# KiCad board matrix-x02-x06.kicad_pcb (continued)
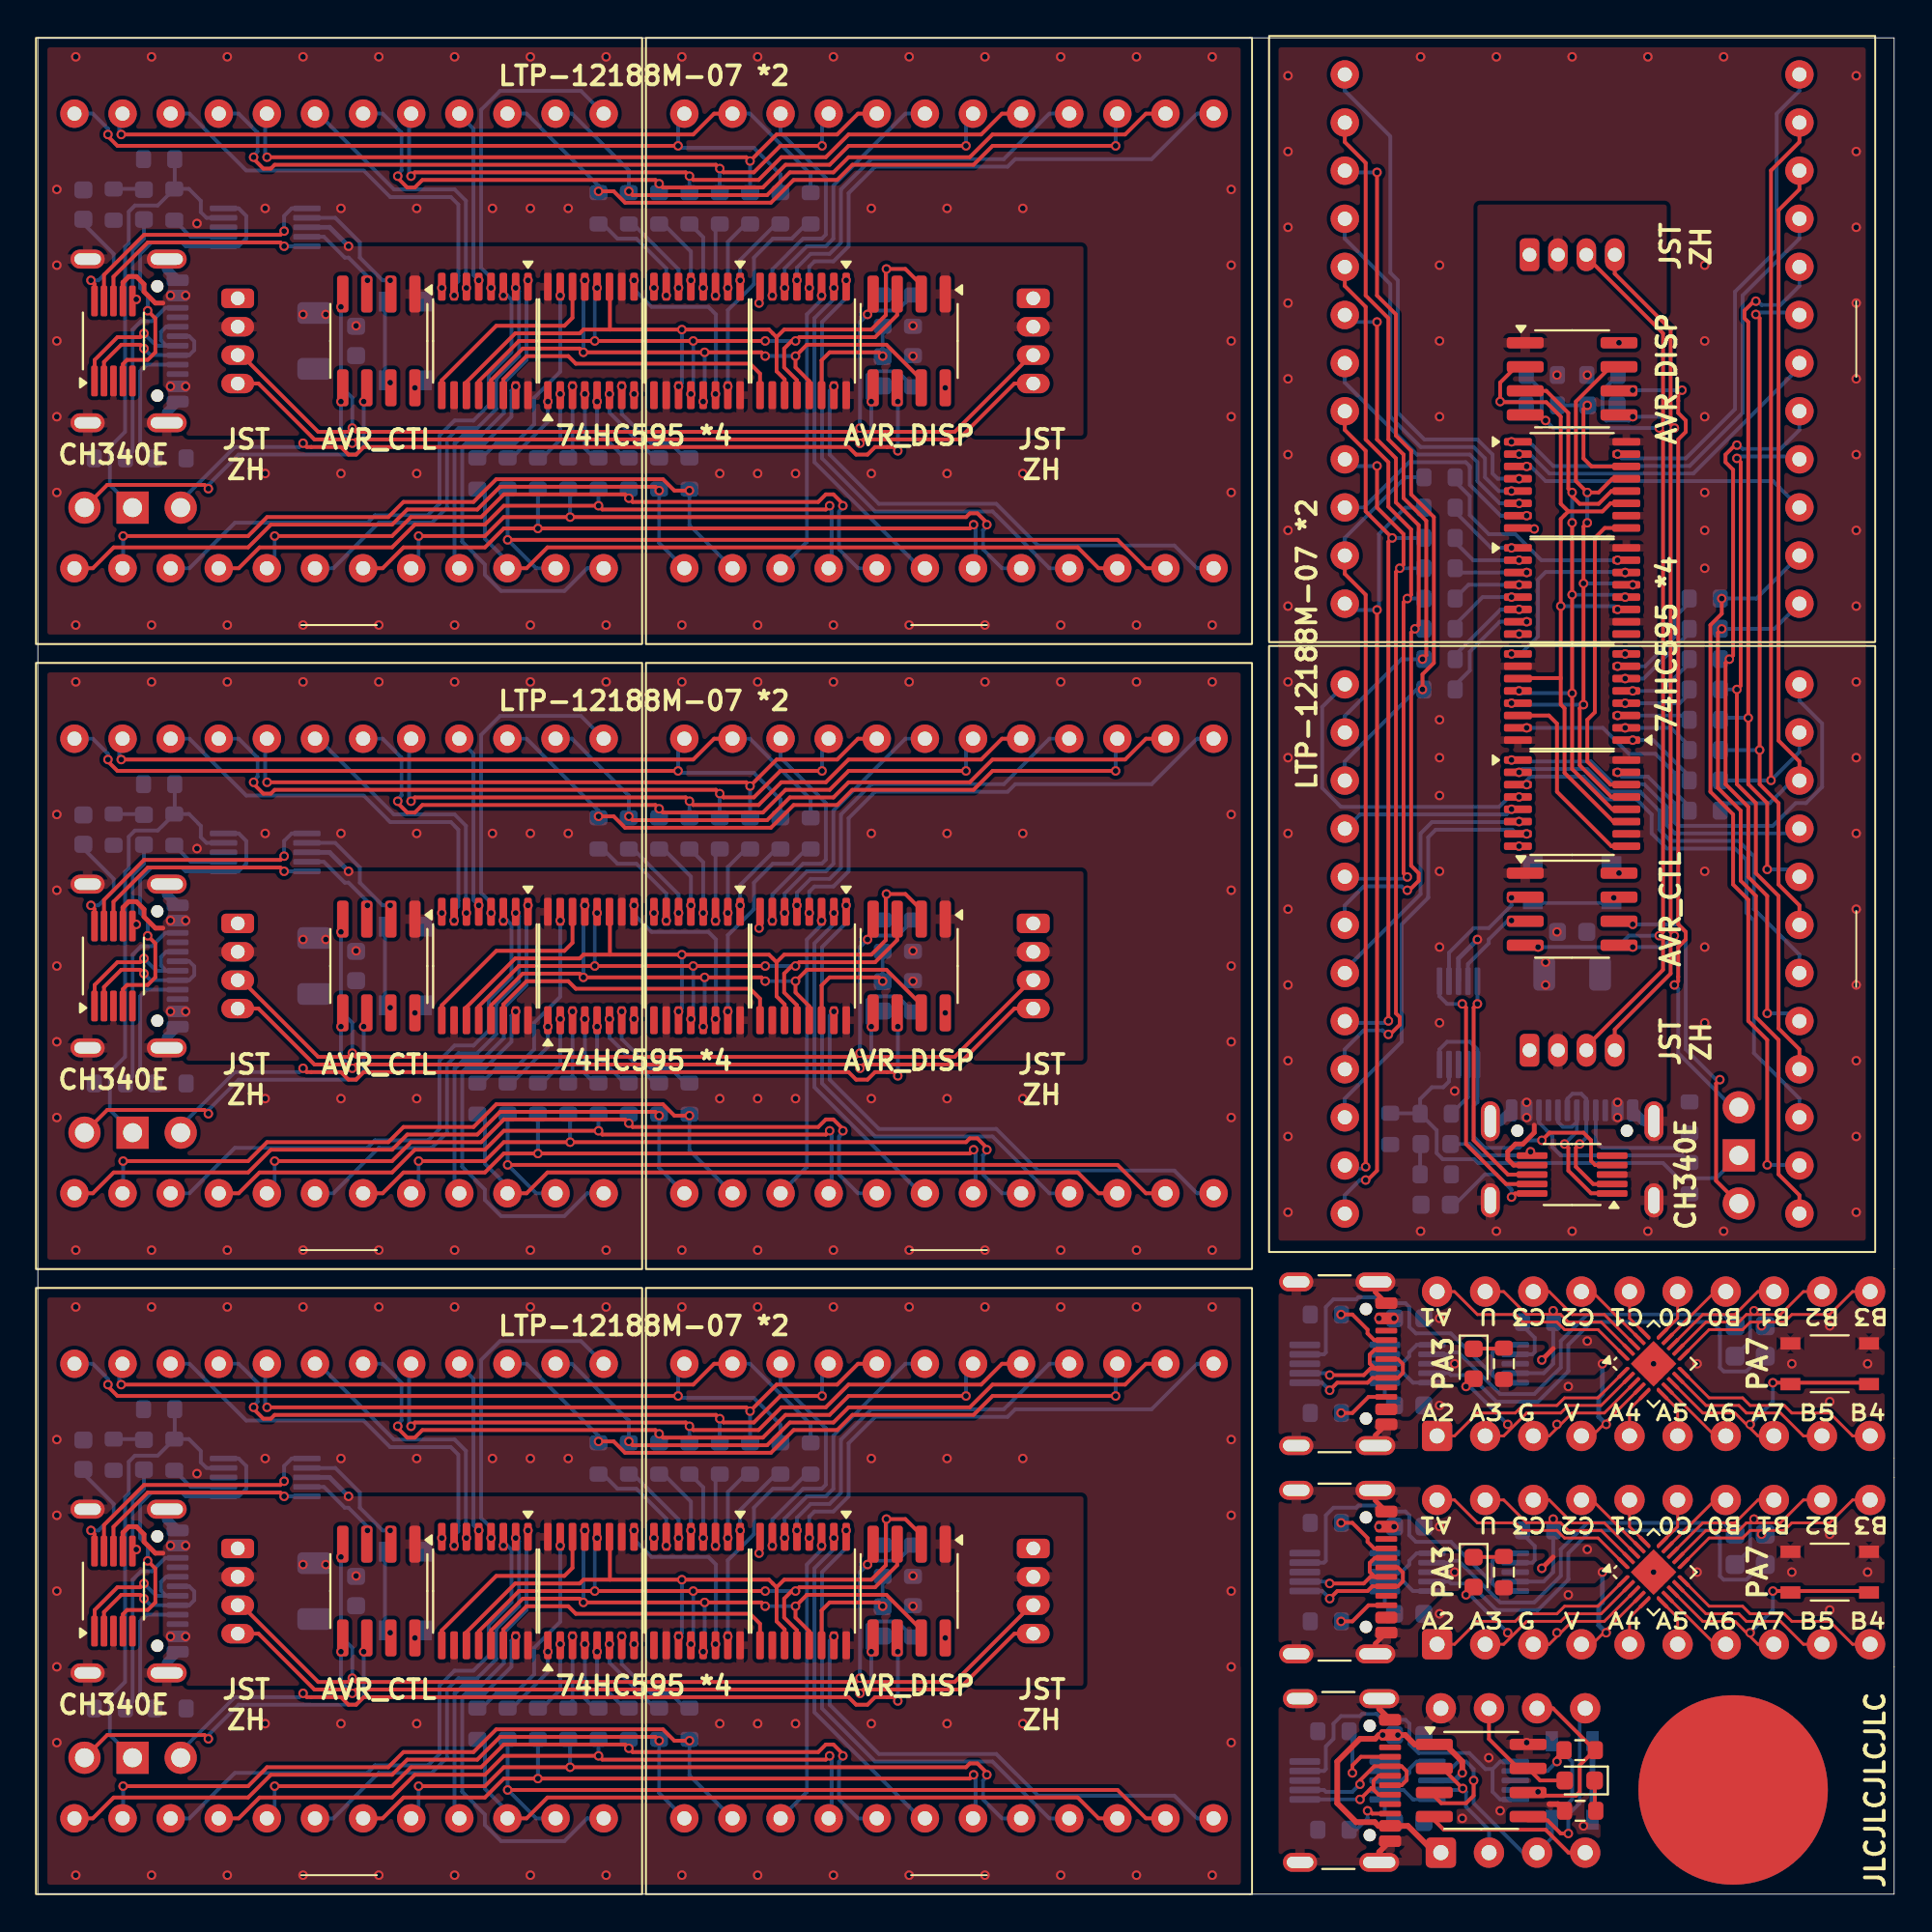
[diagram p0: board, top side]
## Placement (name value [footprint] x y rotation side) (continued)
R16#4  150R  [R_0603_1608Metric]  23.2 42 270 bottom
R17  1k  [R_0603_1608Metric]  44.6 83.6 270 bottom
R17#2  1k  [R_0603_1608Metric]  44.6 50.6 270 bottom
R17#3  1k  [R_0603_1608Metric]  44.6 17.6 270 bottom
R17#4  1k  [R_0603_1608Metric]  79.4 78.6 0 bottom
R18  4k7  [R_0603_1608Metric]  46.2 50.6 270 bottom
R18#2  4k7  [R_0603_1608Metric]  46.2 83.6 270 bottom
R18#3  4k7  [R_0603_1608Metric]  46.2 17.6 270 bottom
R18#4  4k7  [R_0603_1608Metric]  79.4 80.2 0 bottom
R19  4k7  [R_0603_1608Metric]  46.2 80.4 90 bottom
R19#2  4k7  [R_0603_1608Metric]  46.2 14.4 90 bottom
R19#3  4k7  [R_0603_1608Metric]  46.2 47.4 90 bottom
R19#4  4k7  [R_0603_1608Metric]  82.6 80.2 180 bottom
R20  4k7  [R_0603_1608Metric]  73.8 41.2 180 bottom
R20#2  4k7  [R_0603_1608Metric]  7.2 23.2 90 bottom
R20#3  4k7  [R_0603_1608Metric]  7.2 56.2 90 bottom
R20#4  4k7  [R_0603_1608Metric]  7.2 89.2 90 bottom
R21  R_TNOW  [R_0603_1608Metric]  4 56.2 90 bottom
R21#2  R_TNOW  [R_0603_1608Metric]  73.8 38 180 bottom
R21#3  R_TNOW  [R_0603_1608Metric]  4 89.2 90 bottom
R21#4  R_TNOW  [R_0603_1608Metric]  4 23.2 90 bottom
R22  4k7  [R_0603_1608Metric]  7 42.8 180 bottom
R22#2  4k7  [R_0603_1608Metric]  7 75.8 180 bottom
R22#3  4k7  [R_0603_1608Metric]  87.2 41 270 bottom
R22#4  4k7  [R_0603_1608Metric]  7 9.8 180 bottom
R23  4k7  [R_0603_1608Metric]  3.8 42.8 0 bottom
R23#2  4k7  [R_0603_1608Metric]  3.8 9.8 0 bottom
R23#3  4k7  [R_0603_1608Metric]  87.2 37.8 90 bottom
R23#4  4k7  [R_0603_1608Metric]  3.8 75.8 0 bottom
R24  NC  [R_0603_1608Metric]  6.4 91.6 0 bottom
R24#2  NC  [R_0603_1608Metric]  6.4 25.6 0 bottom
R24#3  NC  [R_0603_1608Metric]  6.4 58.6 0 bottom
R24#4  NC  [R_0603_1608Metric]  71.4 40.4 90 bottom
SW1  SW_Push  [alps-skrp]  94.6 17 0 top
SW1#2  SW_Push  [alps-skrp]  94.6 28 0 top
SW1#3  SW_Push  [alps-skrp]  19.4 49 90 bottom
SW1#4  SW_Push  [alps-skrp]  81 53.4 180 bottom
SW1#5  SW_Push  [alps-skrp]  19.4 16 90 bottom
SW1#6  SW_Push  [alps-skrp]  19.4 82 90 bottom
SW1#7  SW_Push  [alps-skrp]  81 6 270 bottom
U1  74HC595  [TSSOP-16_4.4x5mm_P0.65mm]  34.8 16 270 top
U1#2  74HC595  [TSSOP-16_4.4x5mm_P0.65mm]  34.8 82 270 top
U1#3  ATtiny202-SS  [SOIC-8_3.9x4.9mm_P1.27mm]  76.2 6 0 top
U1#4  74HC595  [TSSOP-16_4.4x5mm_P0.65mm]  81 68.8 0 top
U1#5  ATtiny1606-M  [VQFN-20-1EP_3x3mm_P0.4mm_EP1.7x1.7mm]  85.3 28 45 top
U1#6  ATtiny1606-M  [VQFN-20-1EP_3x3mm_P0.4mm_EP1.7x1.7mm]  85.3 17 45 top
U1#7  74HC595  [TSSOP-16_4.4x5mm_P0.65mm]  34.8 49 270 top
U2  74HC595  [TSSOP-16_4.4x5mm_P0.65mm]  29.2 49 90 top
U2#2  74HC595  [TSSOP-16_4.4x5mm_P0.65mm]  29.2 16 90 top
U2#3  74HC595  [TSSOP-16_4.4x5mm_P0.65mm]  81 63.2 180 top
U2#4  74HC595  [TSSOP-16_4.4x5mm_P0.65mm]  29.2 82 90 top
U2#5  CH340E  [MSOP-10_3x3mm_P0.5mm]  69 17 0 bottom
U2#6  CH340E  [MSOP-10_3x3mm_P0.5mm]  69 28 0 bottom
U2#7  CH340E  [MSOP-10_3x3mm_P0.5mm]  69 6 0 bottom
U3  74HC595  [TSSOP-16_4.4x5mm_P0.65mm]  23.6 49 270 top
U3#2  74HC595  [TSSOP-16_4.4x5mm_P0.65mm]  81 57.6 0 top
U3#3  74HC595  [TSSOP-16_4.4x5mm_P0.65mm]  23.6 16 270 top
U3#4  74HC595  [TSSOP-16_4.4x5mm_P0.65mm]  23.6 82 270 top
U3#5  TS5A23159DGS  [VSSOP-10_3x3mm_P0.5mm]  75.8 17 180 bottom
U3#6  TS5A23159DGS  [VSSOP-10_3x3mm_P0.5mm]  75.8 6 180 bottom
U3#7  TS5A23159DGS  [VSSOP-10_3x3mm_P0.5mm]  75.8 28 180 bottom
U4  74HC595  [TSSOP-16_4.4x5mm_P0.65mm]  81 74.4 0 top
U4#2  74HC595  [TSSOP-16_4.4x5mm_P0.65mm]  40.4 82 270 top
U4#3  74HC595  [TSSOP-16_4.4x5mm_P0.65mm]  40.4 16 270 top
U4#4  74HC595  [TSSOP-16_4.4x5mm_P0.65mm]  40.4 49 270 top
U5  ATtiny202-SS  [SOIC-8_3.9x4.9mm_P1.27mm]  46 16 270 top
U5#2  ATtiny202-SS  [SOIC-8_3.9x4.9mm_P1.27mm]  46 49 270 top
U5#3  ATtiny202-SS  [SOIC-8_3.9x4.9mm_P1.27mm]  46 82 270 top
U5#4  ATtiny202-SS  [SOIC-8_3.9x4.9mm_P1.27mm]  81 80 0 top
U6  ATtiny202-SS  [SOIC-8_3.9x4.9mm_P1.27mm]  18 82 270 top
U6#2  ATtiny202-SS  [SOIC-8_3.9x4.9mm_P1.27mm]  81 52 0 top
U6#3  ATtiny202-SS  [SOIC-8_3.9x4.9mm_P1.27mm]  18 49 270 top
U6#4  ATtiny202-SS  [SOIC-8_3.9x4.9mm_P1.27mm]  18 16 270 top
U7  TS5A23159DGS  [VSSOP-10_3x3mm_P0.5mm]  12 22 0 bottom
U7#2  TS5A23159DGS  [VSSOP-10_3x3mm_P0.5mm]  75 46 90 bottom
U7#3  TS5A23159DGS  [VSSOP-10_3x3mm_P0.5mm]  12 55 0 bottom
U7#4  TS5A23159DGS  [VSSOP-10_3x3mm_P0.5mm]  12 88 0 bottom
U8  CH340E  [MSOP-10_3x3mm_P0.5mm]  3.99 16 90 top
U8#2  CH340E  [MSOP-10_3x3mm_P0.5mm]  3.99 82 90 top
U8#3  CH340E  [MSOP-10_3x3mm_P0.5mm]  3.99 49 90 top
U8#4  CH340E  [MSOP-10_3x3mm_P0.5mm]  81 37.99 180 top

## Library data of the parts
C1 C1#2 C1#3 C1#5-C1#7 C2 C2#2 C2#4-C2#7 C3 C3#2-C3#4 C4 C4#2-C4#4 = -: Description: Unpolarized capacitor, small symbol
D1 D1#5-D1#7 D2 D2#2-D2#4 = -: Description: 31.0 mm 8×8 dot matrix led display rg
D1#2 D1#4 D3 D3#2-D3#4 = -: Description: Light emitting diode, small symbol; Sim.Pin: 1=K 2=A
D1#3 = -: Description: Light emitting diode; Sim.Pins: 1=K 2=A
J1 J1#2 = -: Description: Generic connector, double row, 02x10, counter clockwise pin numbering scheme (similar to DIP package numbering), script generated (kicad-library-utils/schlib/autogen/connector/)
J1#3-J1#6 J2#4-J2#7 = -: Description: Generic connector, single row, 01x04, script generated
J2 J2#3 J3 J3#2-J3#5 = -: Datasheet: https://www.usb.org/sites/default/files/documents/usb_type-c.zip; Description: USB 2.0-only 16P Type-C Receptacle connector
JP1 JP1#2 JP1#4 JP1#6 = -: Description: Jumper, 3-pole, both open
R1#2-R1#7 R2#2-R2#7 R3 R3#2-R3#5 R4 R4#2-R4#5 R5 R5#2-R5#6 R6 R6#2-R6#6 R7 R7#2-R7#4 R8 R8#2-R8#4 R9 R9#2-R9#4 R10 R10#2-R10#4 R11 R11#2-R11#4 R12 R12#2-R12#4 R13 R13#2-R13#4 R14 R14#2-R14#4 R15 R15#2-R15#4 R16 R16#2-R16#4 R17 R17#2-R17#4 R18 R18#2-R18#4 R19 R19#2-R19#4 R20 R20#2-R20#4 R21 R21#2-R21#4 R22 R22#2-R22#4 R23 R23#2-R23#4 R24 R24#2-R24#4 = -: Description: Resistor, small symbol
R2 = -: Description: Resistor
SW1 SW1#2-SW1#6 = -: Description: Push button switch, generic, two pins
U1 U1#2 U1#4 U1#7 U2 U2#2-U2#4 U3 U3#2-U3#4 U4 U4#2-U4#4 = -: Datasheet: http://www.ti.com/lit/ds/symlink/sn74hc595.pdf; Description: 8-bit serial in/out Shift Register 3-State Outputs
U1#3 = -: Datasheet: http://ww1.microchip.com/downloads/en/DeviceDoc/ATtiny202-402-AVR-MCU-with-Core-Independent-Peripherals_and-picoPower-40001969A.pdf
U1#5 U1#6 = -: Datasheet: http://ww1.microchip.com/downloads/en/DeviceDoc/ATtiny806_1606_Data_Sheet_40002029A.pdf; Description: 20MHz, 16kB Flash, 1kB SRAM, 256B EEPROM, VQFN-20
U2#5-U2#7 U8 U8#2-U8#4 = -: Datasheet: https://www.mpja.com/download/35227cpdata.pdf; Description: USB serial converter, UART, MSOP-10
U3#5-U3#7 U7 U7#2-U7#4 = -: Datasheet: http://www.ti.com/lit/ds/symlink/ts5a23159.pdf; Description: Dual SPDT 1ohm Bidirectional Analog Switch with Off protection, VSSOP-10
U5 U5#2-U5#4 U6 U6#2-U6#4 = -: Datasheet: http://ww1.microchip.com/downloads/en/DeviceDoc/ATtiny202-402-AVR-MCU-with-Core-Independent-Peripherals_and-picoPower-40001969A.pdf; Description: 20MHz, 2kB Flash, 128B SRAM, 64B EEPROM, SOIC-8

## Footprints (pads in the part's own frame, mm; a bottom-side part is the same pattern mirrored in y, then rotated)
alps-skrp
  rect 1.05x0.65 smd: 1(-2.075,-1.075) 1(2.075,-1.075) 2(-2.075,1.075) 2(2.075,1.075)
C_0603_1608Metric
  rrect 0.9x0.95 smd: 1(-0.775,0) 2(0.775,0)
C_1206_3216Metric
  rrect 1.15x1.8 smd: 1(-1.475,0) 2(1.475,0)
DIP-8_W7.62mm_Socket
  rrect 1.6x1.6 hole 0.8: 1(0,0)
  round 1.6 hole 0.8: 2(0,-2.54) 3(0,-5.08) 4(0,-7.62) 5(7.62,-7.62) 6(7.62,-5.08) 7(7.62,-2.54) 8(7.62,0)
DIP-20_W7.62mm_Socket
  rrect 1.6x1.6 hole 0.8: 1(0,0)
  round 1.6 hole 0.8: 2(0,-2.54) 3(0,-5.08) 4(0,-7.62) 5(0,-10.16) 6(0,-12.7) 7(0,-15.24) 8(0,-17.78) 9(0,-20.32) 10(0,-22.86) 11(7.62,-22.86) 12(7.62,-20.32) 13(7.62,-17.78) 14(7.62,-15.24) 15(7.62,-12.7) 16(7.62,-10.16) 17(7.62,-7.62) 18(7.62,-5.08) 19(7.62,-2.54) 20(7.62,0)
JST_ZH_B4B-ZR_1x04_P1.50mm_Vertical
  rrect 1.03x1.73 hole 0.73: 1(0,0)
  oval 1.03x1.73 hole 0.73: 2(1.5,0) 3(3,0) 4(4.5,0)
LED_0603_1608Metric
  rrect 0.875x0.95 smd: 1(-0.787,0) 2(0.787,0)
LTP-12188M-08
  round 1.5 hole 0.75: 1(-13.97,-12) 2(-11.43,-12) 3(-8.89,-12) 4(-6.35,-12) 5(-3.81,-12) 6(-1.27,-12) 7(1.27,-12) 8(3.81,-12) 9(6.35,-12) 10(8.89,-12) 11(11.43,-12) 12(13.97,-12) 13(13.97,12) 14(11.43,12) 15(8.89,12) 16(6.35,12) 17(3.81,12) 18(1.27,12) 19(-1.27,12) 20(-3.81,12) 21(-6.35,12) 22(-8.89,12) 23(-11.43,12) 24(-13.97,12)
MSOP-10_3x3mm_P0.5mm
  rrect 1.625x0.35 smd: 1(-2.112,1) 2(-2.112,0.5) 3(-2.112,0) 4(-2.112,-0.5) 5(-2.112,-1) 6(2.112,-1) 7(2.112,-0.5) 8(2.112,0) 9(2.112,0.5) 10(2.112,1)
PinHeader_1x03_P2.54mm_Vertical
  round 1.7 hole 1: 1(0,0) 3(0,-5.08)
  rect 1.7x1.7 hole 1: 2(0,-2.54)
pokayoke_1608
  rrect 1x1 smd: 1(-0.8,0.8) 2(-0.8,-0.8) 3(0.8,-0.8) 4(0.8,0.8)
R_0603_1608Metric
  rrect 0.8x0.95 smd: 1(-0.825,0) 2(0.825,0)
SOIC-8_3.9x4.9mm_P1.27mm
  rrect 1.95x0.6 smd: 1(-2.475,1.905) 2(-2.475,0.635) 3(-2.475,-0.635) 4(-2.475,-1.905) 5(2.475,-1.905) 6(2.475,-0.635) 7(2.475,0.635) 8(2.475,1.905)
TSSOP-16_4.4x5mm_P0.65mm
  rrect 1.475x0.4 smd: 1(-2.862,2.275) 2(-2.862,1.625) 3(-2.862,0.975) 4(-2.862,0.325) 5(-2.862,-0.325) 6(-2.862,-0.975) 7(-2.862,-1.625) 8(-2.862,-2.275) 9(2.862,-2.275) 10(2.862,-1.625) 11(2.862,-0.975) 12(2.862,-0.325) 13(2.862,0.325) 14(2.862,0.975) 15(2.862,1.625) 16(2.862,2.275)
USB_C_Receptacle_GCT_USB4105-xx-A_16P_TopMnt_Horizontal
  round 0.65 hole 0.65 unplated: (-2.89,2.605) (2.89,2.605)
  rrect 0.6x1.15 smd: A1(-3.2,3.68) A4(-2.4,3.68) A9(2.4,3.68) A12(3.2,3.68) B1(3.2,3.68) B4(2.4,3.68) B9(-2.4,3.68) B12(-3.2,3.68)
  rrect 0.3x1.15 smd: A5(-1.25,3.68) A6(-0.25,3.68) A7(0.25,3.68) A8(1.25,3.68) B5(1.75,3.68) B6(0.75,3.68) B7(-0.75,3.68) B8(-1.75,3.68)
  oval 1x2.1 hole 0.6x1.7: S1(-4.32,3.105) S1(4.32,3.105)
  oval 1x1.8 hole 0.6x1.4: S1(-4.32,-1.075) S1(4.32,-1.075)
VQFN-20-1EP_3x3mm_P0.4mm_EP1.7x1.7mm
  rrect 0.69x0.69 smd: (-0.425,0.425) (-0.425,-0.425) (0.425,0.425) (0.425,-0.425)
  custom 0.8x0.2 smd: 1(-1.45,0.8) 5(-1.45,-0.8) 11(1.45,-0.8) 15(1.45,0.8)
  rrect 0.8x0.2 smd: 2(-1.45,0.4) 3(-1.45,0) 4(-1.45,-0.4) 12(1.45,-0.4) 13(1.45,0) 14(1.45,0.4)
  custom 0.2x0.8 smd: 6(-0.8,-1.45) 10(0.8,-1.45) 16(0.8,1.45) 20(-0.8,1.45)
  rrect 0.2x0.8 smd: 7(-0.4,-1.45) 8(0,-1.45) 9(0.4,-1.45) 17(0.4,1.45) 18(0,1.45) 19(-0.4,1.45)
  rect 1.7x1.7 smd: 21(0,0)
VSSOP-10_3x3mm_P0.5mm
  rrect 1.45x0.3 smd: 1(-2.2,1) 2(-2.2,0.5) 3(-2.2,0) 4(-2.2,-0.5) 5(-2.2,-1) 6(2.2,-1) 7(2.2,-0.5) 8(2.2,0) 9(2.2,0.5) 10(2.2,1)

## Nets
/V3: C2.2 C2#4.2 C2#5.2 C2#6.2 U8.10 U8#2.10 U8#3.10 U8#4.10
GND: C1.2 C1#2.2 C1#3.2 C1#4.2 C1#5.2 C1#6.2 C1#7.2 C2.1 C2#2.2 C2#3.2 C2#4.1 C2#5.1 C2#6.1 C2#7.2 C3.2 C3#2.2 C3#3.2 C3#4.2 C4.2 C4#2.2 C4#3.2 C4#4.2 J1.3 J1#2.3 J1#3.1 J1#4.1 J1#5.1 J1#6.1 J2.A1 J2.A12 J2.B1 J2.B12 J2.S1 J2#2.8 J2#3.A1 J2#3.A12 J2#3.B1 J2#3.B12 J2#3.S1 J2#4.1 J2#5.1 J2#6.1 J2#7.1 J3.A1 J3.A12 J3.B1 J3.B12 J3.S1 J3#2.A1 J3#2.A12 J3#2.B1 J3#2.B12 J3#2.S1 J3#3.A1 J3#3.A12 J3#3.B1 J3#3.B12 J3#3.S1 J3#4.A1 J3#4.A12 J3#4.B1 J3#4.B12 J3#4.S1 J3#5.A1 J3#5.A12 J3#5.B1 J3#5.B12 J3#5.S1 R1.2 R1#2.2 R1#5.2 R2#3.2 R2#7.2 R3#2.2 R4#3.2 R6.2 R6#2.2 R21.1 R21#2.1 R21#3.1 R21#4.1 R22.1 R22#2.1 R22#3.1 R22#4.1 R23.1 R23#2.1 R23#3.1 R23#4.1 R24.1 R24#2.1 R24#3.1 R24#4.1 SW1.2 SW1#2.2 SW1#3.2 SW1#4.2 SW1#5.2 SW1#6.2 SW1#7.1 U1.8 U1#2.8 U1#3.8 U1#4.8 U1#5.3 U1#5.21 U1#6.3 U1#6.21 U1#7.8 U2.8 U2#2.8 U2#3.8 U2#4.8 U2#5.3 U2#6.3 U2#7.3 U3.8 U3#2.8 U3#3.8 U3#4.8 U3#5.3 U3#6.3 U3#7.3 U4.8 U4#2.8 U4#3.8 U4#4.8 U5.8 U5#2.8 U5#3.8 U5#4.8 U6.8 U6#2.8 U6#3.8 U6#4.8 U7.3 U7#2.3 U7#3.3 U7#4.3 U8.3 U8#2.3 U8#3.3 U8#4.3
VCC: C1#4.1 C1#6.1 C1#7.1 C3.1 C3#2.1 C3#3.1 C3#4.1 C4.1 C4#2.1 C4#3.1 C4#4.1 J1.4 J1#2.4 J1#3.2 J1#4.2 J1#5.2 J1#6.2 J2.A4 J2.A9 J2.B4 J2.B9 J2#2.1 J2#3.A4 J2#3.A9 J2#3.B4 J2#3.B9 J2#4.2 J2#5.2 J2#6.2 J2#7.2 J3.A4 J3.A9 J3.B4 J3.B9 J3#2.A4 J3#2.A9 J3#2.B4 J3#2.B9 J3#3.A4 J3#3.A9 J3#3.B4 J3#3.B9 J3#4.A4 J3#4.A9 J3#4.B4 J3#4.B9 J3#5.A4 J3#5.A9 J3#5.B4 J3#5.B9 R18.2 R18#2.2 R18#3.2 R18#4.2 R19.2 R19#2.2 R19#3.2 R19#4.2 U1.10 U1.16 U1#2.10 U1#2.16 U1#3.1 U1#4.10 U1#4.16 U1#5.4 U1#6.4 U1#7.10 U1#7.16 U2.10 U2.16 U2#2.10 U2#2.16 U2#3.10 U2#3.16 U2#4.10 U2#4.16 U2#5.7 U2#6.7 U2#7.7 U3.10 U3.16 U3#2.10 U3#2.16 U3#3.10 U3#3.16 U3#4.10 U3#4.16 U3#5.8 U3#6.8 U3#7.8 U4.10 U4.16 U4#2.10 U4#2.16 U4#3.10 U4#3.16 U4#4.10 U4#4.16 U5.1 U5#2.1 U5#3.1 U5#4.1 U6.1 U6#2.1 U6#3.1 U6#4.1 U7.8 U7#2.8 U7#3.8 U7#4.8 U8.7 U8#2.7 U8#3.7 U8#4.7
/COL1: D1.23 D1#5.23 D1#6.23 D1#7.23 D2.23 D2#2.23 D2#3.23 D2#4.23 R1#3.2 R1#4.2 R1#6.2 R1#7.2
/COL2: D1.24 D1#5.24 D1#6.24 D1#7.24 D2.24 D2#2.24 D2#3.24 D2#4.24 R2#2.2 R2#4.2 R2#5.2 R2#6.2
/COL3: D1.20 D1#5.20 D1#6.20 D1#7.20 D2.20 D2#2.20 D2#3.20 D2#4.20 R3.2 R3#3.2 R3#4.2 R3#5.2
/COL4: D1.21 D1#5.21 D1#6.21 D1#7.21 D2.21 D2#2.21 D2#3.21 D2#4.21 R4.2 R4#2.2 R4#4.2 R4#5.2
/COL5: D1.17 D1#5.17 D1#6.17 D1#7.17 D2.17 D2#2.17 D2#3.17 D2#4.17 R5.2 R5#3.2 R5#5.2 R5#6.2
/COL6: D1.18 D1#5.18 D1#6.18 D1#7.18 D2.18 D2#2.18 D2#3.18 D2#4.18 R6#3.2 R6#4.2 R6#5.2 R6#6.2
/COL7: D1.14 D1#5.14 D1#6.14 D1#7.14 D2.14 D2#2.14 D2#3.14 D2#4.14 R7.2 R7#2.2 R7#3.2 R7#4.2
/COL8: D1.15 D1#5.15 D1#6.15 D1#7.15 D2.15 D2#2.15 D2#3.15 D2#4.15 R8.2 R8#2.2 R8#3.2 R8#4.2
/COL9: D1.2 D1#5.2 D1#6.2 D1#7.2 D2.2 D2#2.2 D2#3.2 D2#4.2 R9.2 R9#2.2 R9#3.2 R9#4.2
/COL10: D1.1 D1#5.1 D1#6.1 D1#7.1 D2.1 D2#2.1 D2#3.1 D2#4.1 R10.2 R10#2.2 R10#3.2 R10#4.2
/COL11: D1.5 D1#5.5 D1#6.5 D1#7.5 D2.5 D2#2.5 D2#3.5 D2#4.5 R11.2 R11#2.2 R11#3.2 R11#4.2
/COL12: D1.4 D1#5.4 D1#6.4 D1#7.4 D2.4 D2#2.4 D2#3.4 D2#4.4 R12.2 R12#2.2 R12#3.2 R12#4.2
/COL13: D1.8 D1#5.8 D1#6.8 D1#7.8 D2.8 D2#2.8 D2#3.8 D2#4.8 R13.2 R13#2.2 R13#3.2 R13#4.2
/COL14: D1.7 D1#5.7 D1#6.7 D1#7.7 D2.7 D2#2.7 D2#3.7 D2#4.7 R14.2 R14#2.2 R14#3.2 R14#4.2
/COL15: D1.11 D1#5.11 D1#6.11 D1#7.11 D2.11 D2#2.11 D2#3.11 D2#4.11 R15.2 R15#2.2 R15#3.2 R15#4.2
/COL16: D1.10 D1#5.10 D1#6.10 D1#7.10 D2.10 D2#2.10 D2#3.10 D2#4.10 R16.2 R16#2.2 R16#3.2 R16#4.2
/OE#: U1.13 U1#2.13 U1#4.13 U1#7.13 U2.13 U2#2.13 U2#3.13 U2#4.13 U3.13 U3#2.13 U3#3.13 U3#4.13 U4.13 U4#2.13 U4#3.13 U4#4.13 U5.7 U5#2.7 U5#3.7 U5#4.7
/RCLK: U1.12 U1#2.12 U1#4.12 U1#7.12 U2.12 U2#2.12 U2#3.12 U2#4.12 U3.12 U3#2.12 U3#3.12 U3#4.12 U4.12 U4#2.12 U4#3.12 U4#4.12 U5.3 U5#2.3 U5#3.3 U5#4.3
/ROW1: D1.22 D1#5.22 D1#6.22 D1#7.22 U3.7 U3#2.7 U3#3.7 U3#4.7
/ROW2: D1.19 D1#5.19 D1#6.19 D1#7.19 U3.6 U3#2.6 U3#3.6 U3#4.6
/ROW3: D1.16 D1#5.16 D1#6.16 D1#7.16 U3.5 U3#2.5 U3#3.5 U3#4.5
/ROW4: D1.13 D1#5.13 D1#6.13 D1#7.13 U3.4 U3#2.4 U3#3.4 U3#4.4
/ROW5: D1.3 D1#5.3 D1#6.3 D1#7.3 U3.3 U3#2.3 U3#3.3 U3#4.3
/ROW6: D1.6 D1#5.6 D1#6.6 D1#7.6 U3.2 U3#2.2 U3#3.2 U3#4.2
/ROW7: D1.9 D1#5.9 D1#6.9 D1#7.9 U3.1 U3#2.1 U3#3.1 U3#4.1
/ROW8: D1.12 D1#5.12 D1#6.12 D1#7.12 U3.15 U3#2.15 U3#3.15 U3#4.15
/ROW9: D2.22 D2#2.22 D2#3.22 D2#4.22 U4.7 U4#2.7 U4#3.7 U4#4.7
/ROW10: D2.19 D2#2.19 D2#3.19 D2#4.19 U4.6 U4#2.6 U4#3.6 U4#4.6
/ROW11: D2.16 D2#2.16 D2#3.16 D2#4.16 U4.5 U4#2.5 U4#3.5 U4#4.5
/ROW12: D2.13 D2#2.13 D2#3.13 D2#4.13 U4.4 U4#2.4 U4#3.4 U4#4.4
/ROW13: D2.3 D2#2.3 D2#3.3 D2#4.3 U4.3 U4#2.3 U4#3.3 U4#4.3
/ROW14: D2.6 D2#2.6 D2#3.6 D2#4.6 U4.2 U4#2.2 U4#3.2 U4#4.2
/ROW15: D2.9 D2#2.9 D2#3.9 D2#4.9 U4.1 U4#2.1 U4#3.1 U4#4.1
/ROW16: D2.12 D2#2.12 D2#3.12 D2#4.12 U4.15 U4#2.15 U4#3.15 U4#4.15
/RTS#: U7.1 U7.5 U7#2.1 U7#2.5 U7#3.1 U7#3.5 U7#4.1 U7#4.5 U8.4 U8#2.4 U8#3.4 U8#4.4
/RXD_AVR: U6.3 U6#2.3 U6#3.3 U6#4.3 U7.9 U7#2.9 U7#3.9 U7#4.9
/RXD_USB: U7.6 U7#2.6 U7#3.6 U7#4.6 U8.9 U8#2.9 U8#3.9 U8#4.9
/SCL: J1#3.4 J1#4.4 J1#5.4 J1#6.4 J2#4.4 J2#5.4 J2#6.4 J2#7.4 R19.1 R19#2.1 R19#3.1 R19#4.1 U5.5 U5#2.5 U5#3.5 U5#4.5 U6.5 U6#2.5 U6#3.5 U6#4.5
/SDA: J1#3.3 J1#4.3 J1#5.3 J1#6.3 J2#4.3 J2#5.3 J2#6.3 J2#7.3 R18.1 R18#2.1 R18#3.1 R18#4.1 U5.4 U5#2.4 U5#3.4 U5#4.4 U6.4 U6#2.4 U6#3.4 U6#4.4
/SER: C1.1 C1#2.1 C1#3.1 C1#5.1 R17.2 R17#2.2 R17#3.2 R17#4.2 U4.14 U4#2.14 U4#3.14 U4#4.14
/SERCLK: R17.1 R17#2.1 R17#3.1 R17#4.1 U1.11 U1#2.11 U1#4.11 U1#7.11 U2.11 U2#2.11 U2#3.11 U2#4.11 U3.11 U3#2.11 U3#3.11 U3#4.11 U4.11 U4#2.11 U4#3.11 U4#4.11 U5.2 U5#2.2 U5#3.2 U5#4.2
/TNOW: D3.2 D3#2.2 D3#3.2 D3#4.2 U8.6 U8#2.6 U8#3.6 U8#4.6
/TXD_AVR: U6.2 U6#2.2 U6#3.2 U6#4.2 U7.7 U7#2.7 U7#3.7 U7#4.7
/TXD_USB: U7.10 U7#2.10 U7#3.10 U7#4.10 U8.8 U8#2.8 U8#3.8 U8#4.8
BTN: SW1#3.1 SW1#4.1 SW1#5.1 SW1#6.1 U6.7 U6#2.7 U6#3.7 U6#4.7
D+: J2.A6 J2.B6 J2#3.A6 J2#3.B6 J3.A6 J3.B6 J3#2.A6 J3#2.B6 J3#3.A6 J3#3.B6 J3#4.A6 J3#4.B6 J3#5.A6 J3#5.B6 U2#5.1 U2#6.1 U2#7.1 U8.1 U8#2.1 U8#3.1 U8#4.1
D-: J2.A7 J2.B7 J2#3.A7 J2#3.B7 J3.A7 J3.B7 J3#2.A7 J3#2.B7 J3#3.A7 J3#3.B7 J3#4.A7 J3#4.B7 J3#5.A7 J3#5.B7 U2#5.2 U2#6.2 U2#7.2 U8.2 U8#2.2 U8#3.2 U8#4.2
PA1: J1.20 J1#2.20 J2#2.4 U1#3.4 U1#5.20 U1#6.20
PA2: J1.1 J1#2.1 J2#2.5 U1#3.5 U1#5.1 U1#6.1
PA3: D1#2.2 D1#3.2 D1#4.2 J1.2 J1#2.2 J2#2.7 U1#3.7 U1#5.2 U1#6.2
PA4: J1.5 J1#2.5 U1#5.5 U1#6.5
PA5: J1.6 J1#2.6 U1#5.6 U1#6.6
PA6: J1.7 J1#2.7 J2#2.2 U1#3.2 U1#5.7 U1#6.7 U3#6.7
PA7: J1.8 J1#2.8 J2#2.3 SW1.1 SW1#2.1 SW1#7.2 U1#3.3 U1#5.8 U1#6.8 U3#6.9
PB0: J1.14 J1#2.14 U1#5.14 U1#6.14
PB1: J1.13 J1#2.13 U1#5.13 U1#6.13
PB2: J1.12 J1#2.12 JP1#3.4 JP1#5.4 U1#5.12 U1#6.12
PB3: J1.11 J1#2.11 JP1#3.2 JP1#5.2 U1#5.11 U1#6.11
PB4: J1.10 J1#2.10 U1#5.10 U1#6.10
PB5: J1.9 J1#2.9 U1#5.9 U1#6.9
PC0: J1.15 J1#2.15 U1#5.15 U1#6.15
PC1: J1.16 J1#2.16 U1#5.16 U1#6.16
PC2: J1.17 J1#2.17 U1#5.17 U1#6.17
PC3: J1.18 J1#2.18 U1#5.18 U1#6.18
RTS#: U2#5.4 U2#6.4 U2#7.4 U3#5.1 U3#5.5 U3#6.1 U3#6.5 U3#7.1 U3#7.5
RXD: U2#5.9 U2#6.9 U2#7.9 U3#5.6 U3#6.6 U3#7.6
TXD: U2#5.8 U2#6.8 U2#7.8 U3#5.10 U3#6.10 U3#7.10
UPDI: J1.19 J1#2.19 J2#2.6 JP1.2 JP1#2.2 JP1#4.2 JP1#6.2 R2.2 R5#2.2 R5#4.2 R20.2 R20#2.2 R20#3.2 R20#4.2 R24.2 R24#2.2 R24#3.2 R24#4.2 U1#3.6 U1#5.19 U1#6.19 U3#5.4 U3#6.4 U3#7.4 U7.4 U7#2.4 U7#3.4 U7#4.4
UPDI_CTL: JP1.3 JP1#2.3 JP1#4.3 JP1#6.3 U6.6 U6#2.6 U6#3.6 U6#4.6
UPDI_DISP: JP1.1 JP1#2.1 JP1#4.1 JP1#6.1 U5.6 U5#2.6 U5#3.6 U5#4.6
Net-(D1-K): D1#2.1 D1#3.1 D1#4.1 R1.1 R6.1 R6#2.1
Net-(D3-K): D3.1 D3#2.1 D3#3.1 D3#4.1 R21.2 R21#2.2 R21#3.2 R21#4.2
Net-(J2-CC1): J2.A5 J2#3.A5 R1#2.1 R1#5.1
Net-(J2-CC2): J2.B5 J2#3.B5 R2#3.1 R2#7.1
Net-(J3-CC1): J3.A5 J3#2.A5 J3#3.A5 J3#4.A5 J3#5.A5 R3#2.1 R22.2 R22#2.2 R22#3.2 R22#4.2
Net-(J3-CC2): J3.B5 J3#2.B5 J3#3.B5 J3#4.B5 J3#5.B5 R4#3.1 R23.2 R23#2.2 R23#3.2 R23#4.2
Net-(JP1-Pad1): JP1#3.1 JP1#5.1 U3#5.9 U3#7.9
Net-(JP1-Pad3): JP1#3.3 JP1#5.3 U3#5.7 U3#7.7
Net-(R2-Pad1): R2.1 U3#6.2
Net-(R5-Pad1): R5#2.1 R5#4.1 U3#5.2 U3#7.2
Net-(R20-Pad1): R20.1 R20#2.1 R20#3.1 R20#4.1 U7.2 U7#2.2 U7#3.2 U7#4.2
Net-(U1-QA): R1#3.1 R1#4.1 R1#6.1 R1#7.1 U1.15 U1#2.15 U1#4.15 U1#7.15
Net-(U1-QB): R2#2.1 R2#4.1 R2#5.1 R2#6.1 U1.1 U1#2.1 U1#4.1 U1#7.1
Net-(U1-QC): R3.1 R3#3.1 R3#4.1 R3#5.1 U1.2 U1#2.2 U1#4.2 U1#7.2
Net-(U1-QD): R4.1 R4#2.1 R4#4.1 R4#5.1 U1.3 U1#2.3 U1#4.3 U1#7.3
Net-(U1-QE): R5.1 R5#3.1 R5#5.1 R5#6.1 U1.4 U1#2.4 U1#4.4 U1#7.4
Net-(U1-QF): R6#3.1 R6#4.1 R6#5.1 R6#6.1 U1.5 U1#2.5 U1#4.5 U1#7.5
Net-(U1-QG): R7.1 R7#2.1 R7#3.1 R7#4.1 U1.6 U1#2.6 U1#4.6 U1#7.6
Net-(U1-QH): R8.1 R8#2.1 R8#3.1 R8#4.1 U1.7 U1#2.7 U1#4.7 U1#7.7
Net-(U1-SER): U1.14 U1#2.14 U1#4.14 U1#7.14 U2.9 U2#2.9 U2#3.9 U2#4.9
Net-(U2-QA): R16.1 R16#2.1 R16#3.1 R16#4.1 U2.15 U2#2.15 U2#3.15 U2#4.15
Net-(U2-QB): R15.1 R15#2.1 R15#3.1 R15#4.1 U2.1 U2#2.1 U2#3.1 U2#4.1
Net-(U2-QC): R14.1 R14#2.1 R14#3.1 R14#4.1 U2.2 U2#2.2 U2#3.2 U2#4.2
Net-(U2-QD): R13.1 R13#2.1 R13#3.1 R13#4.1 U2.3 U2#2.3 U2#3.3 U2#4.3
Net-(U2-QE): R12.1 R12#2.1 R12#3.1 R12#4.1 U2.4 U2#2.4 U2#3.4 U2#4.4
Net-(U2-QF): R11.1 R11#2.1 R11#3.1 R11#4.1 U2.5 U2#2.5 U2#3.5 U2#4.5
Net-(U2-QG): R10.1 R10#2.1 R10#3.1 R10#4.1 U2.6 U2#2.6 U2#3.6 U2#4.6
Net-(U2-QH): R9.1 R9#2.1 R9#3.1 R9#4.1 U2.7 U2#2.7 U2#3.7 U2#4.7
Net-(U2-SER): U2.14 U2#2.14 U2#3.14 U2#4.14 U3.9 U3#2.9 U3#3.9 U3#4.9
Net-(U2-V3): C2#2.1 C2#3.1 C2#7.1 U2#5.10 U2#6.10 U2#7.10
Net-(U3-SER): U3.14 U3#2.14 U3#3.14 U3#4.14 U4.9 U4#2.9 U4#3.9 U4#4.9

Pads without a net: J2 A8 B8; J2#3 A8 B8; J3 A8 B8; J3#2 A8 B8; J3#3 A8 B8; J3#4 A8 B8; J3#5 A8 B8; U1 9; U1#2 9; U1#4 9; U1#7 9; U2#5 5 6; U2#6 5 6; U2#7 5 6; U8 5; U8#2 5; U8#3 5; U8#4 5

## Via types
v1: diameter 0.5, hole 0.3, Top to Bottom, 793 vias
